# Altium PCB Iris.PcbDoc (part 8 of 13) (continued)
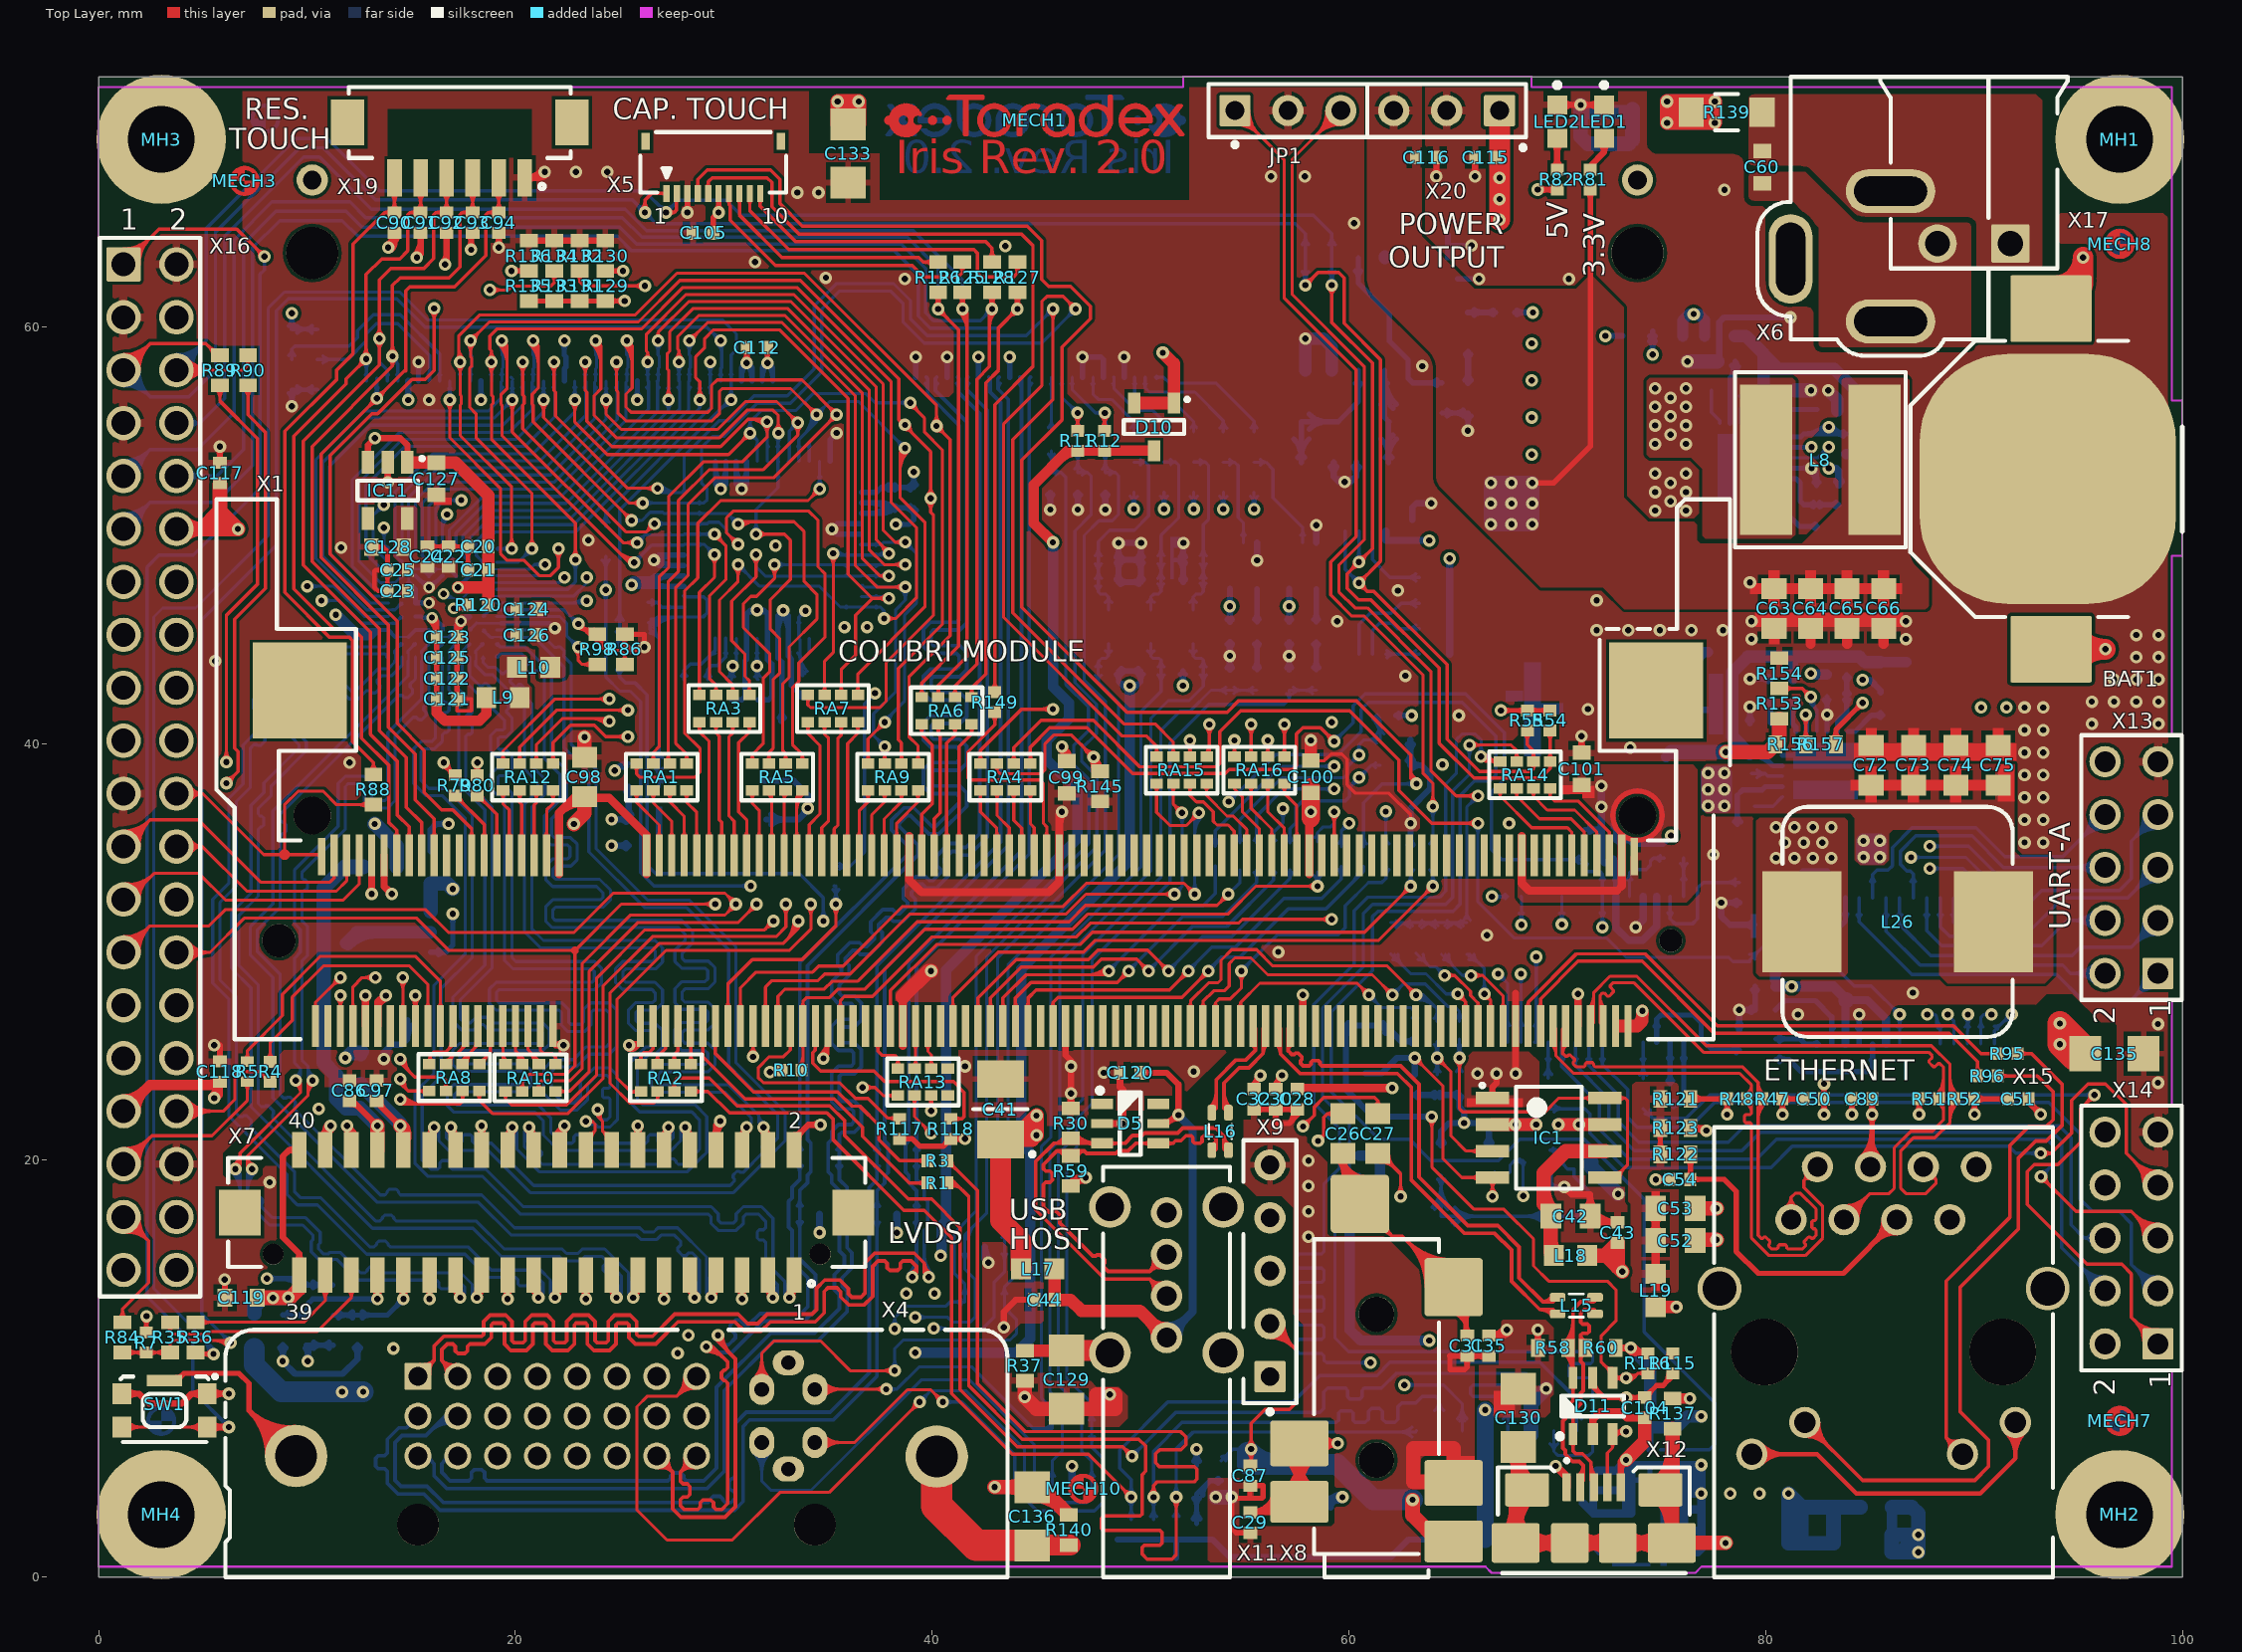
[diagram p0: Top Layer view]
## Nets (pads, with @x,y where several pads share a name; then routed paths per layer and width w, separated by ;. In a path a pad name is that pad's centre, name@x,y a point inside that pad or via, vN(x,y) a via of type N, cw(c..) or ccw(c..) an arc to the next point about the centre after c; other vN are vias at no path point) (continued)
  Bottom Layer w0.152: v1@62.808,33.314 ccw(c62.426,33.696) 62.967,33.696 ccw(c63.507,33.696) v1@63.125,33.314 ; R100.2@62.819,33.942 cw(c62.463,33.585) 62.967,33.585 cw(c63.471,33.585) R100.2@63.114,33.942 ; v1(62.967,33.156) R100.2@62.967,34.089
NetR109_2: R109.2 X1.173 | length 8.9
  Top Layer w0.15: v1(65.227,27.987) 65.6,27.614 ; v1@65.232,27.762 cw(c65.243,27.257) 65.6,27.614 ; v1@65.452,27.982 ccw(c65.957,27.971) 65.6,27.614 ; X1.173@65.529,27.393 ccw(c65.359,27.563) 65.6,27.563 ccw(c65.841,27.563) X1.173@65.671,27.393 ; X1.173@65.6,26.446 65.6,27.614
  Bottom Layer w0.15: R109.2@62.021,29.902 62.967,28.956 63.703,28.956 64.672,27.987 v1(65.227,27.987) ; R109.2@62.101,29.632 cw(c62.101,29.175) 62.424,29.498 ; R109.2@62.201,29.882 ccw(c62.59,29.882) R109.2@62.315,29.607 ; R109.2@62.351,29.882 ccw(c63.102,29.882) 62.571,29.351 ; v1@65.058,27.839 ccw(c64.732,27.555) 64.732,27.987 ccw(c64.732,28.419) v1@65.058,28.135
NetR111_2: R111.2 X1.175 | length 8.1
  Top Layer w0.15: v1(64.595,28.876) 65.081,28.876 ; v1@64.767,28.73 cw(c65.081,28.464) 65.081,28.876 ; v1@64.767,29.021 ccw(c65.081,29.288) 65.081,28.876 ; X1.175@66.129,27.393 ccw(c65.959,27.563) 66.2,27.563 ccw(c66.441,27.563) X1.175@66.271,27.393 ; X1.175@66.2,26.446 66.2,27.548 65.837,27.911 65.837,28.12 65.081,28.876
  Bottom Layer w0.15: R111.2@63.221,29.958 63.893,29.286 64.184,29.286 v1(64.595,28.876) ; R111.2@63.321,29.632 cw(c63.321,29.086) 63.707,29.472 ; R111.2@63.571,29.882 ccw(c64.232,29.882) 63.764,29.415 ; v1@64.37,28.876 ccw(c63.827,28.876) 64.211,29.26 ccw(c64.595,29.644) v1@64.595,29.101
NetR112_2: R112.2 X1.177 | length 7.1
  Top Layer w0.15: v1(66.503,27.987) 66.8,27.69 ; v1@66.548,27.766 cw(c66.603,27.493) 66.8,27.69 ; v1@66.724,27.942 ccw(c66.997,27.887) 66.8,27.69 ; X1.177@66.729,27.393 ccw(c66.559,27.563) 66.8,27.563 ccw(c67.041,27.563) X1.177@66.871,27.393 ; X1.177@66.8,26.446 66.8,27.69
  Bottom Layer w0.15: R112.2@65.659,29.882 65.825,29.882 66.503,29.204 v1(66.503,27.987) ; R112.2@65.759,29.632 cw(c65.759,28.869) 66.299,29.408 ; R112.2@65.759,29.782 cw(c65.759,29.381) R112.2@66.043,29.664 ; R112.2@66.009,29.882 ccw(c66.453,29.882) 66.139,29.568 ; v1@66.344,28.146 ccw(c65.96,28.53) 66.503,28.53 ccw(c67.047,28.53) v1@66.662,28.146
NetR113_2: R113.2 X1.179 | length 8.3
  Top Layer w0.15: v1(65.865,28.876) 66.425,28.876 67.4,27.901 X1.179@67.4,26.446 ; v1@66.024,28.717 cw(c66.408,28.333) 66.408,28.876 cw(c66.408,29.419) v1@66.024,29.035 ; X1.179@67.329,27.393 ccw(c67.159,27.563) 67.4,27.563 ccw(c67.641,27.563) X1.179@67.471,27.393
  Bottom Layer w0.15: R113.2@64.44,29.882 65.446,28.876 ; R113.2@64.54,29.632 cw(c64.54,29.27) 64.796,29.526 ; R113.2@64.64,29.882 ccw(c65.123,29.882) 64.781,29.541 ; R113.2@64.79,29.882 ccw(c65.635,29.882) 65.037,29.285 ; v1@65.678,28.751 ccw(c65.446,28.598) 65.446,28.876 ; v1@65.678,29 cw(c65.446,29.154) 65.446,28.876 ; v1(65.865,28.876) 65.446,28.876
PWM_A: R7.2 R35.2 R84.1 X3.6 | length 89
  Top Layer w0.152: R35.2@3.429,10.781 3.429,11.161 3.621,11.354 6.223,11.354 v1(6.325,11.252) ; 5.539,11.354 cw(c5.539,10.467) v1@6.166,11.094 ; 5.907,11.354 cw(c5.907,10.835) v1@6.274,11.202 ; 6.03,11.354 ccw(c6.03,11.547) v1@6.166,11.41
  Top Layer w0.165: R84.1@1.143,10.781 R35.2@3.429,10.781 ; R84.1@1.414,10.61 cw(c1.828,10.196) 1.828,10.781 cw(c1.828,11.367) R84.1@1.414,10.953 ; 1.754,10.781 cw(c1.754,10.267) R7.2@2.118,10.631 ; 1.79,10.781 ccw(c1.79,11.245) R7.2@2.118,10.917 ; R7.2@2.454,10.631 cw(c2.818,10.267) 2.818,10.781 ; R7.2@2.454,10.917 ccw(c2.782,11.245) 2.782,10.781 ; R35.2@3.158,10.61 ccw(c2.744,10.196) 2.744,10.781 ccw(c2.744,11.367) R35.2@3.158,10.953
  Bottom Layer w0.165: v1@6.107,11.252 ccw(c5.582,11.252) 5.953,11.623 ccw(c6.325,11.995) v1@6.325,11.47 ; v1(6.325,11.252) 4.953,12.624 4.953,45.949 8.534,49.53 8.534,60.782 9.093,61.341 14.316,61.341 15.662,59.995 29.191,59.995 29.898,59.288 29.898,58.041 29.85,57.993 X3.6@29.85,57.4 ; v1@29.632,59.336 ccw(c29.107,59.336) 29.479,59.707 ccw(c29.85,60.078) v1@29.85,59.553 ; v1@29.696,59.182 cw(c29.209,58.695) 29.898,58.695 ; X3.6@29.802,57.698 ccw(c29.687,57.813) 29.85,57.813 ccw(c30.013,57.813) X3.6@29.898,57.698 ; 29.898,58.927 cw(c30.259,58.927) v1@30.004,59.182
  other v1: 29.85,59.336
PWM_A_S: R7.1 X1.59 | length 54.2
  Top Layer w0.15: v1@2.13,12.362 cw(c1.752,11.984) R7.1@2.286,11.984 ; R7.1@2.138,11.882 ccw(c1.779,12.241) 2.286,12.241 ccw(c2.793,12.241) R7.1@2.434,11.882 ; v1@2.163,12.334 cw(c2.046,12.159) 2.249,12.104 ; v1@2.176,12.326 cw(c2.033,12.078) 2.31,12.152 ; 2.259,12.142 cw(c2.553,12.063) v1@2.401,12.326 ; R7.1@2.286,11.734 2.286,12.519 v1(2.289,12.521) ; R7.1@2.286,11.972 cw(c2.838,11.972) v1@2.448,12.362 ; 2.32,12.113 cw(c2.509,12.163) v1@2.406,12.329
  Top Layer w0.165: v1@31.246,25.122 ccw(c30.875,25.493) 31.4,25.493 ccw(c31.925,25.493) v1@31.554,25.122 ; X1.59@31.335,25.556 cw(c31.177,25.398) 31.4,25.398 cw(c31.623,25.398) X1.59@31.465,25.556 ; v1(31.4,24.968) X1.59@31.4,26.446
  MidLayer2 w0.165: v1@2.135,12.367 cw(c1.764,11.996) 2.289,11.996 cw(c2.814,11.996) v1@2.442,12.367 ; v1(2.289,12.521) 2.289,11.25 4.013,9.525 7.747,9.525 8.382,8.89 10.909,8.89 11.862,9.843 11.862,13.995 17.653,19.787 32.461,19.787 33.452,20.777 33.452,24.003 32.487,24.968 v1(31.4,24.968) ; v1@31.554,24.814 cw(c31.925,24.443) 31.925,24.968 cw(c31.925,25.493) v1@31.554,25.122
PWM_B: R79.2 X16.38 | length 39.5
  Top Layer w0.15: v1@16.507,38.872 cw(c16.375,38.335) R79.2@16.854,38.612 ; v1@16.561,38.866 cw(c16.561,38.505) 16.816,38.76 ; v1(16.561,39.091) 16.561,39.015 R79.2@17.104,38.472 ; v1@16.703,38.873 cw(c16.301,38.472) R79.2@16.869,38.472 ; 16.742,38.834 cw(c16.999,39.091) 16.636,39.091 ccw(c16.984,39.087) 16.81,38.786 ; 16.763,38.813 ccw(c17.079,39.129) R79.2@17.079,38.682 ; v1@16.764,38.994 ccw(c16.918,38.92) 16.833,38.773 ; v1@16.778,39.032 ccw(c17.256,38.904) R79.2@16.828,38.657 ; v1@16.786,39.091 ccw(c17.511,39.091) R79.2@16.998,38.577
  MidLayer2 w0.165: X16.38@3.731,17.28 5.283,18.832 5.283,20.142 7.595,22.454 7.595,31.42 15.265,39.091 v1(16.561,39.091) ; X16.38@3.731,17.692 ccw(c3.731,18.688) 4.435,17.984 ccw(c5.139,17.28) X16.38@4.143,17.28 ; X16.38@3.731,17.858 ccw(c3.731,19.252) 4.717,18.266 ccw(c5.703,17.28) X16.38@4.308,17.28 ; X16.38@3.731,18.023 ccw(c3.731,19.815) 4.998,18.548 ccw(c6.266,17.28) X16.38@4.473,17.28 ; v1@16.407,38.937 ccw(c16.036,38.566) 16.036,39.091 ccw(c16.036,39.616) v1@16.407,39.244
PWM_B_S: R79.1 X1.28 | length 4.6
  Top Layer w0.165: R79.1@17.104,37.512 18.5,36.116 X1.28@18.5,34.646 ; R79.1@17.129,37.31 cw(c17.129,36.881) 17.432,37.184 ; R79.1@17.331,37.512 ccw(c17.881,37.512) 17.492,37.124 ; X1.28@18.435,35.587 ccw(c18.277,35.745) 18.5,35.745 ccw(c18.723,35.745) X1.28@18.565,35.587
PWM_C: R80.2 X16.39 | length 44.4
  Top Layer w0.15: v1@18.012,38.932 cw(c17.627,38.547) 18.171,38.547 cw(c18.714,38.547) v1@18.33,38.932 ; R80.2@18.022,38.62 ccw(c17.664,38.979) 18.171,38.979 ccw(c18.678,38.979) R80.2@18.319,38.62 ; v1@18.064,38.892 cw(c18.015,38.801) 18.116,38.774 cw(c18.246,38.739) v1@18.217,38.871 ; v1@18.124,38.871 cw(c18.096,38.739) 18.226,38.774 cw(c18.326,38.801) v1@18.277,38.892 ; R80.2@18.171,38.472 v1(18.171,39.091)
  MidLayer2 w0.165: X16.39@1.191,14.74 2.461,16.01 4.936,16.01 5.766,16.84 5.766,19.863 8.001,22.098 8.001,27.864 9.728,29.591 9.728,32.842 12.37,35.484 14.564,35.484 v1(18.171,39.091) ; X16.39@1.191,15.152 ccw(c1.191,16.148) 1.895,15.444 ccw(c2.599,14.74) X16.39@1.603,14.74 ; X16.39@1.191,15.318 ccw(c1.191,16.712) 2.177,15.726 ccw(c3.163,14.74) X16.39@1.768,14.74 ; X16.39@1.191,15.483 ccw(c1.191,17.275) 2.458,16.008 ccw(c3.726,14.74) X16.39@1.933,14.74 ; v1@17.953,39.091 cw(c17.428,39.091) 17.799,38.719 cw(c18.171,38.348) v1@18.171,38.873
PWM_C_S: R80.1 X1.30 | length 4.4
  Top Layer w0.165: R80.1@18.171,37.532 19.1,36.602 X1.30@19.1,34.646 ; R80.1@18.196,37.31 cw(c18.196,36.834) 18.532,37.17 ; R80.1@18.398,37.512 ccw(c18.9,37.512) 18.545,37.157 ; X1.30@19.035,35.587 ccw(c18.877,35.745) 19.1,35.745 ccw(c19.323,35.745) X1.30@19.165,35.587
PWM_D: R10.2 X16.40 | length 52.2
  Top Layer w0.152: v1(32.216,24.232) 32.317,24.333 R10.2@32.769,24.333
  MidLayer2 w0.152: X16.40@3.201,14.211 cw(c1.923,12.932) 3.731,12.932 cw(c5.539,12.932) X16.40@4.26,14.211 ; X16.40@3.309,14.318 cw(c2.291,13.3) 3.731,13.3 cw(c5.171,13.3) X16.40@4.153,14.318 ; X16.40@3.417,14.426 cw(c2.659,13.668) 3.731,13.668 cw(c4.803,13.668) X16.40@4.045,14.426 ; X16.40@3.731,14.74 3.731,11.23 4.902,10.058 8.128,10.058 8.661,9.525 10.592,9.525 11.201,10.135 11.201,14.376 17.332,20.507 32.216,20.507 32.868,21.158 32.868,23.58 v1(32.216,24.232) ; v1@32.216,24.008 cw(c32.216,23.468) 32.598,23.85 cw(c32.98,24.232) v1@32.44,24.232
PWM_D_S: R10.1 R110.1 X1.67 | length 35.9
  Top Layer w0.152: R10.1@33.606,24.531 ccw(c33.139,24.999) 33.8,24.999 ; X1.67@33.73,25.551 cw(c33.561,25.382) 33.8,25.382 cw(c34.039,25.382) X1.67@33.87,25.551 ; X1.67@33.73,27.392 ccw(c33.561,27.56) 33.8,27.56 ccw(c34.039,27.56) X1.67@33.87,27.392 ; R10.1@33.8,24.359 X1.67@33.8,26.446 33.8,27.628 33.985,27.813 35.077,27.813 35.484,28.219 36.779,28.219 39.648,31.088 46.732,31.088 47.459,31.816 54.193,31.816 55.533,33.156 v1(58.496,33.156) ; R10.1@33.8,24.573 ccw(c34.147,24.573) R10.1@33.902,24.328 ; v1@58.338,32.998 ccw(c57.956,32.616) 57.956,33.156 ccw(c57.956,33.696) v1@58.338,33.314
  Bottom Layer w0.152: R110.1@58.32,33.668 cw(c57.896,33.244) 58.496,33.244 cw(c59.097,33.244) R110.1@58.672,33.668 ; v1@58.338,33.314 ccw(c57.956,33.696) 58.496,33.696 ccw(c59.036,33.696) v1@58.654,33.314 ; v1@58.366,33.338 ccw(c58.274,33.465) 58.426,33.506 ccw(c58.612,33.556) v1@58.558,33.371 ; v1@58.434,33.371 ccw(c58.381,33.556) 58.566,33.506 ccw(c58.718,33.465) v1@58.627,33.338 ; v1(58.496,33.156) R110.1@58.496,33.844
PWR_IN: C60.2 F1.1 X6.1 X17.2
RECOVERY: JP1.1 R108.2 | length 49.1
  Top Layer w0.15: JP1.1@54.534,69.705 cw(c54.534,68.075) 55.687,69.228 cw(c56.839,70.38) JP1.1@55.209,70.38 ; JP1.1@54.534,69.855 cw(c54.534,68.588) 55.431,69.484 cw(c56.327,70.38) JP1.1@55.059,70.38 ; JP1.1@54.534,70.005 cw(c54.534,69.1) 55.175,69.74 cw(c55.815,70.38) JP1.1@54.909,70.38 ; JP1.1@54.534,70.38 56.89,68.024 56.89,61.398 60.35,57.937 60.35,49.936 59.131,48.717 59.131,47.129 60.134,46.126 60.73,46.126 63.551,43.306 63.551,38.583 64.033,38.1 v1(64.033,36.982) ; v1@63.874,37.141 ccw(c63.49,37.526) 64.033,37.526 ccw(c64.577,37.526) v1@64.192,37.141
  Bottom Layer w0.15: v1@63.874,36.823 cw(c63.49,36.439) 64.033,36.439 cw(c64.577,36.439) v1@64.192,36.823 ; R108.2@63.885,35.198 ccw(c63.526,35.556) 64.033,35.556 ccw(c64.54,35.556) R108.2@64.182,35.198 ; R108.2@64.033,35.049 v1(64.033,36.982)
RED: C2.1 L5.1 R16.1 R23.1 R25.1 | length 14.6
  Bottom Layer w0.152: C2.1@47.822,48.628 cw(c47.457,48.263) 47.973,48.263 cw(c48.489,48.263) C2.1@48.124,48.628 ; C2.1@47.822,49.01 ccw(c47.457,49.375) 47.973,49.375 ccw(c48.489,49.375) C2.1@48.124,49.01 ; R25.1@47.836,47.925 ccw(c47.503,48.257) 47.973,48.257 ; R25.1@47.843,47.573 cw(c47.574,47.277) 47.973,47.277 ; 47.973,48.305 ccw(c48.511,48.305) R25.1@48.131,47.925 ; R25.1@48.112,47.563 ccw(c48.336,47.277) 47.973,47.277 ; L5.1@48.297,46.781 ccw(c48.177,47.041) 48.463,47.041 ; L5.1@48.463,46.418 48.463,47.041 ; L5.1@48.63,46.781 cw(c48.749,47.041) 48.463,47.041 ; R23.1@49.682,53.504 50.234,53.504 ; R23.1@49.991,53.372 cw(c50.234,53.215) 50.234,53.504 ; R23.1@49.993,53.371 cw(c50.234,53.219) 50.234,53.504 ; R23.1@49.993,53.637 ccw(c50.234,53.789) 50.234,53.504 ; R23.1@49.994,53.638 ccw(c50.234,53.785) 50.234,53.504 ; 47.973,47.277 48.083,47.168 48.336,47.168 48.463,47.041 ; 47.973,47.277 C2.1@47.973,48.819 47.973,49.7 48.514,50.241 49.708,50.241 50.394,50.927 50.394,53.344 50.234,53.504
RESET_EXT#: SW1.2 SW1.4 X1.26 X16.1 | length 136.6
  Top Layer w0.165: SW1.4@1.11,7.2 SW1.2@5.21,7.2 v1(6.248,7.2) ; X16.1@1.191,63 2.885,64.694 6.629,64.694 v1(7.95,63.373) ; X16.1@1.191,63.412 ccw(c1.191,64.408) 1.895,63.704 ccw(c2.599,63) X16.1@1.603,63 ; X16.1@1.191,63.578 ccw(c1.191,64.972) 2.177,63.986 ccw(c3.163,63) X16.1@1.768,63 ; X16.1@1.191,63.743 ccw(c1.191,65.535) 2.458,64.268 ccw(c3.726,63) X16.1@1.933,63 ; SW1.4@1.253,7.057 cw(c1.599,6.711) 1.599,7.2 cw(c1.599,7.689) SW1.4@1.253,7.343 ; SW1.4@1.37,6.94 cw(c1.997,6.313) 1.997,7.2 cw(c1.997,8.087) SW1.4@1.37,7.46 ; SW1.2@4.95,6.94 ccw(c4.323,6.313) 4.323,7.2 ccw(c4.323,8.087) SW1.2@4.95,7.46 ; SW1.2@5.067,7.057 ccw(c4.721,6.711) 4.721,7.2 ccw(c4.721,7.689) SW1.2@5.067,7.343 ; SW1.2@5.353,7.057 cw(c5.699,6.711) 5.699,7.2 cw(c5.699,7.689) SW1.2@5.353,7.343 ; SW1.2@5.47,6.94 cw(c6.097,6.313) 6.097,7.2 cw(c6.097,8.087) SW1.2@5.47,7.46 ; 5.719,7.099 cw(c5.842,6.641) v1@6.12,7.024 ; 5.719,7.301 ccw(c5.842,7.759) v1@6.12,7.376 ; 5.822,7.126 ccw(c5.721,7.505) v1@6.06,7.309 ; 5.822,7.274 cw(c5.721,6.895) v1@6.06,7.091 ; v1@6.095,7.046 ccw(c5.723,6.675) 5.723,7.2 ccw(c5.723,7.725) v1@6.095,7.354 ; v1@7.733,63.373 ccw(c7.208,63.373) 7.579,63.744 ccw(c7.95,64.116) v1@7.95,63.591 ; v1(16.104,60.884) 16.104,57.912 15.672,57.48 15.037,57.48 13.386,55.829 13.106,55.829 11.1,53.823 11.1,49.098 14.326,45.872 14.326,40.97 15.622,39.673 15.622,37.667 16.459,36.83 16.993,36.83 17.9,35.923 X1.26@17.9,34.646 ; X1.26@17.835,35.587 ccw(c17.677,35.745) 17.9,35.745 ccw(c18.123,35.745) X1.26@17.965,35.587 ; 16.104,60.359 ccw(c15.579,60.359) 15.95,60.73 cw(c15.579,60.359) 16.104,60.359 ; 16.104,60.359 cw(c16.629,60.359) 16.257,60.73 ccw(c16.629,60.359) 16.104,60.359
  MidLayer2 w0.165: v1@7.796,63.219 cw(c7.425,62.848) 7.95,62.848 cw(c8.475,62.848) v1@8.104,63.219 ; v1(7.95,63.373) 7.95,62.459 8.814,61.595 15.392,61.595 v1(16.104,60.884) ; v1@15.886,60.884 ccw(c15.361,60.884) 15.732,61.255 ccw(c16.104,61.626) v1@16.104,61.101
  Bottom Layer w0.165: v1@6.031,7.2 ccw(c5.506,7.2) 5.877,7.571 ccw(c6.248,7.943) v1@6.248,7.417 ; v1(6.248,7.2) 4.521,8.927 4.521,11.252 2.311,13.462 2.311,48.463 2.896,49.047 4.547,49.047 7.747,52.248 7.747,62.53 7.95,62.733 v1(7.95,63.373)
RESET_OUT#: R39.1 RA13.6 X16.4 | length 105
  Top Layer w0.152: v1@39.796,22.536 ccw(c39.414,22.918) 39.955,22.918 ccw(c40.495,22.918) v1@40.113,22.536 ; RA13.6@39.832,22.987 cw(c39.535,22.69) 39.955,22.69 cw(c40.374,22.69) RA13.6@40.077,22.987 ; v1(39.955,22.377) RA13.6@39.955,23.11
  MidLayer1 w0.152: 6.096,42.367 11.376,37.087 11.376,36.325 16.586,31.115 27.407,31.115 29.464,33.172 v1(31.293,33.172) 32.029,33.172 32.283,33.426 35.941,33.426 36.551,32.817 36.551,25.298 37.973,23.876 37.973,23.114 38.71,22.377 v1(39.955,22.377) ; v1@31.135,33.014 ccw(c30.753,32.632) 30.753,33.172 ccw(c30.753,33.713) v1@31.135,33.331 ; v1@31.451,33.014 cw(c31.833,32.632) 31.833,33.172 cw(c31.833,33.713) v1@31.451,33.331 ; v1@39.796,22.219 ccw(c39.414,21.837) 39.414,22.377 ccw(c39.414,22.918) v1@39.796,22.536
  MidLayer1 w0.165: X16.4@3.731,59.718 cw(c3.731,57.925) 4.998,59.192 cw(c6.266,60.46) X16.4@4.473,60.46 ; X16.4@3.731,59.883 cw(c3.731,58.488) 4.717,59.474 cw(c5.703,60.46) X16.4@4.308,60.46 ; X16.4@3.731,60.048 cw(c3.731,59.052) 4.435,59.756 cw(c5.139,60.46) X16.4@4.143,60.46 ; X16.4@3.731,60.46 5.055,59.136 5.055,43.409 6.096,42.367
  Bottom Layer w0.152: R39.1@24.157,48.807 cw(c23.733,48.382) 24.333,48.382 cw(c24.934,48.382) R39.1@24.509,48.807 ; v1@24.175,47.213 cw(c23.793,46.831) 24.333,46.831 cw(c24.873,46.831) v1@24.491,47.213 ; v1@24.175,47.529 ccw(c23.793,47.911) 24.333,47.911 ccw(c24.873,47.911) v1@24.491,47.529 ; R39.1@24.333,48.983 v1(24.333,47.371) 24.333,43.205 25.019,42.52 25.502,42.52 26.006,42.015 26.006,33.811 26.645,33.172 v1(31.293,33.172) ; v1@31.135,33.014 ccw(c30.753,32.632) 30.753,33.172 ccw(c30.753,33.713) v1@31.135,33.331
RESET_OUT_S#: RA13.2 X1.87 | length 3.1
  Top Layer w0.15: X1.87@39.729,25.499 cw(c39.559,25.329) 39.8,25.329 cw(c40.041,25.329) X1.87@39.871,25.499 ; X1.87@39.8,26.446 39.8,25.226 39.969,25.057 39.969,24.411 RA13.2@39.97,24.41 ; RA13.2@39.831,24.534 ccw(c39.498,24.867) 39.969,24.867 ; 39.969,24.798 ccw(c40.343,24.798) RA13.2@40.078,24.534
RS232_A_CTS: IC4.8 X13.6 | length 17.7
  Bottom Layer w0.165: IC4.8@86.984,33.391 ccw(c86.741,33.634) 87.085,33.634 ccw(c87.429,33.634) IC4.8@87.186,33.391 ; IC4.8@87.085,32.59 87.085,33.743 86.942,33.886 86.789,33.886 86.462,34.214 86.462,34.823 87.212,35.574 89.902,35.574 91.422,34.054 X13.6@96.292,34.054 ; X13.6@95.789,33.616 ccw(c94.826,32.777) 94.826,34.054 ccw(c94.826,35.331) X13.6@95.789,34.492 ; X13.6@95.913,33.724 ccw(c95.188,33.093) 95.188,34.054 ccw(c95.188,35.015) X13.6@95.913,34.384
RS232_A_DCD: IC4.4 X13.1 | length 23.8
  Bottom Layer w0.165: IC4.4@84.384,31.789 cw(c84.141,31.546) 84.485,31.546 cw(c84.829,31.546) IC4.4@84.586,31.789 ; IC4.4@84.485,32.59 84.485,31.442 87.012,28.914 93.971,28.914 95.199,27.686 97.544,27.686 X13.1@98.832,28.974 ; X13.1@98.164,28.974 cw(c96.553,28.974) 97.692,27.835 cw(c98.832,26.695) X13.1@98.832,28.307 ; X13.1@98.329,28.974 cw(c97.116,28.974) 97.974,28.116 cw(c98.832,27.258) X13.1@98.832,28.472 ; X13.1@98.494,28.974 cw(c97.68,28.974) 98.256,28.398 cw(c98.832,27.822) X13.1@98.832,28.637
RS232_A_DSR: IC4.6 X13.2 | length 19.2
  Bottom Layer w0.165: IC4.6@85.684,31.789 cw(c85.441,31.546) 85.785,31.546 cw(c86.129,31.546) IC4.6@85.886,31.789 ; IC4.6@85.785,32.59 85.785,31.004 87.415,29.374 94.248,29.374 94.648,28.974 X13.2@96.292,28.974 ; X13.2@95.82,28.502 ccw(c94.68,27.363) 94.68,28.974 ccw(c94.68,30.585) X13.2@95.82,29.446 ; X13.2@95.937,28.619 ccw(c95.079,27.761) 95.079,28.974 ccw(c95.079,30.187) X13.2@95.937,29.329 ; X13.2@96.053,28.735 ccw(c95.477,28.159) 95.477,28.974 ccw(c95.477,29.789) X13.2@96.053,29.213
RS232_A_DTR: IC4.11 X13.7 | length 20.6
  Bottom Layer w0.152: IC4.11@89.02,32.575 IC4.11@89.035,32.59
  Bottom Layer w0.165: IC4.11@88.934,31.789 cw(c88.727,31.582) 89.02,31.582 ; 89.02,31.51 cw(c89.415,31.51) IC4.11@89.136,31.789 ; IC4.11@89.02,32.575 89.02,31.427 89.256,31.191 91.491,31.191 93.257,32.957 96.99,32.957 97.562,33.529 97.562,35.324 X13.7@98.832,36.594 ; X13.7@98.164,36.594 cw(c96.553,36.594) 97.692,35.455 cw(c98.832,34.315) X13.7@98.832,35.927 ; X13.7@98.329,36.594 cw(c97.116,36.594) 97.974,35.736 cw(c98.832,34.878) X13.7@98.832,36.092 ; X13.7@98.494,36.594 cw(c97.68,36.594) 98.256,36.018 cw(c98.832,35.442) X13.7@98.832,36.257
RS232_A_RI: IC4.5 X13.8 | length 21.4
  Bottom Layer w0.165: IC4.5@85.034,33.391 ccw(c84.791,33.634) 85.135,33.634 ccw(c85.479,33.634) IC4.5@85.236,33.391 ; IC4.5@85.135,32.59 85.135,33.725 85.344,33.934 85.877,33.934 86.081,34.138 86.081,35.001 87.034,35.955 90.106,35.955 91.491,34.569 94.267,34.569 X13.8@96.292,36.594 ; X13.8@95.624,36.594 cw(c94.013,36.594) 95.152,35.455 cw(c96.292,34.315) X13.8@96.292,35.927 ; X13.8@95.789,36.594 cw(c94.576,36.594) 95.434,35.736 cw(c96.292,34.878) X13.8@96.292,36.092 ; X13.8@95.954,36.594 cw(c95.14,36.594) 95.716,36.018 cw(c96.292,35.442) X13.8@96.292,36.257
RS232_A_RTS: IC4.9 X13.4 | length 17.2
  Bottom Layer w0.165: IC4.9@87.634,31.789 cw(c87.391,31.546) 87.735,31.546 cw(c88.079,31.546) IC4.9@87.836,31.789 ; IC4.9@87.735,32.59 87.735,31.01 88.452,30.293 93.26,30.293 94.481,31.514 X13.4@96.292,31.514 ; X13.4@95.82,31.042 ccw(c94.68,29.903) 94.68,31.514 ccw(c94.68,33.125) X13.4@95.82,31.986 ; X13.4@95.937,31.159 ccw(c95.079,30.301) 95.079,31.514 ccw(c95.079,32.727) X13.4@95.937,31.869 ; X13.4@96.053,31.275 ccw(c95.477,30.699) 95.477,31.514 ccw(c95.477,32.329) X13.4@96.053,31.753
RS232_A_RXD: IC4.7 X13.3 | length 21.2
  Bottom Layer w0.165: IC4.7@86.334,31.789 cw(c86.091,31.546) 86.435,31.546 cw(c86.779,31.546) IC4.7@86.536,31.789 ; IC4.7@86.435,32.59 86.435,31.319 87.921,29.834 94.705,29.834 95.107,30.235 97.553,30.235 X13.3@98.832,31.514 ; X13.3@98.164,31.514 cw(c96.553,31.514) 97.692,30.375 cw(c98.832,29.235) X13.3@98.832,30.847 ; X13.3@98.329,31.514 cw(c97.116,31.514) 97.974,30.656 cw(c98.832,29.798) X13.3@98.832,31.012 ; X13.3@98.494,31.514 cw(c97.68,31.514) 98.256,30.938 cw(c98.832,30.362) X13.3@98.832,31.177
RS232_A_TXD: IC4.10 X13.5 | length 19.6
  Bottom Layer w0.165: IC4.10@88.284,31.789 cw(c88.041,31.546) 88.385,31.546 cw(c88.729,31.546) IC4.10@88.486,31.789 ; IC4.10@88.385,32.59 88.385,31.198 88.83,30.753 92.424,30.753 94.268,32.597 97.375,32.597 X13.5@98.832,34.054 ; X13.5@98.164,34.054 cw(c96.553,34.054) 97.692,32.915 cw(c98.832,31.775) X13.5@98.832,33.387 ; X13.5@98.329,34.054 cw(c97.116,34.054) 97.974,33.196 cw(c98.832,32.338) X13.5@98.832,33.552 ; X13.5@98.494,34.054 cw(c97.68,34.054) 98.256,33.478 cw(c98.832,32.902) X13.5@98.832,33.717
RS232_B_CTS: IC6.8 X14.6 | length 35.5
  Bottom Layer w0.165: IC6.8@71.419,24.869 cw(c71.176,24.626) 71.52,24.626 cw(c71.864,24.626) IC6.8@71.621,24.869 ; IC6.8@71.52,25.67 71.52,24.543 72.93,23.132 72.93,21.867 73.919,20.879 78.207,20.879 78.996,21.668 94.081,21.668 94.657,21.091 94.657,16.899 95.283,16.274 ; X14.6@95.678,16.013 ccw(c95.283,15.845) 95.283,16.274 ; X14.6@95.678,16.535 cw(c95.283,16.703) 95.283,16.274 ; X14.6@95.83,16.077 ccw(c95.532,15.951) 95.532,16.274 ccw(c95.532,16.597) X14.6@95.83,16.471 ; X14.6@96.292,16.274 95.283,16.274
RS232_B_RTS: IC6.9 X14.4 | length 41.7
  Bottom Layer w0.165: IC6.9@70.769,24.869 cw(c70.526,24.626) 70.87,24.626 cw(c71.214,24.626) IC6.9@70.971,24.869 ; IC6.9@70.87,25.67 70.87,24.558 72.48,22.948 72.48,21.681 73.689,20.472 78.867,20.472 79.732,21.337 93.789,21.337 94.217,20.909 94.217,15.809 X14.4@96.292,13.734 ; X14.4@95.624,13.734 ccw(c94.013,13.734) 95.152,14.873 ccw(c96.292,16.013) X14.4@96.292,14.402 ; X14.4@95.789,13.734 ccw(c94.576,13.734) 95.434,14.592 ccw(c96.292,15.45) X14.4@96.292,14.237 ; X14.4@95.954,13.734 ccw(c95.14,13.734) 95.716,14.31 ccw(c96.292,14.886) X14.4@96.292,14.072
RS232_B_RXD: IC6.7 X14.3 | length 43.2
  Bottom Layer w0.165: IC6.7@72.069,24.869 cw(c71.826,24.626) 72.17,24.626 cw(c72.514,24.626) IC6.7@72.271,24.869 ; IC6.7@72.17,25.67 72.17,24.604 73.381,23.393 73.381,22.054 73.844,21.59 76.361,21.59 77.555,22.784 93.587,22.784 95.098,21.273 95.098,18.136 95.682,17.551 96.977,17.551 97.561,16.967 97.561,15.005 X14.3@98.832,13.734 ; X14.3@98.164,13.734 ccw(c96.553,13.734) 97.692,14.873 ccw(c98.832,16.013) X14.3@98.832,14.402 ; X14.3@98.329,13.734 ccw(c97.116,13.734) 97.974,14.592 ccw(c98.832,15.45) X14.3@98.832,14.237 ; X14.3@98.494,13.734 ccw(c97.68,13.734) 98.256,14.31 ccw(c98.832,14.886) X14.3@98.832,14.072
RS232_B_TXD: IC6.10 X14.5 | length 44.2
  Top Layer w0.165: v1@93.218,19.01 cw(c93.218,18.485) 93.589,18.857 cw(c93.961,19.228) v1@93.436,19.228 ; v1(93.218,19.228) 94.894,17.551 97.555,17.551 X14.5@98.832,16.274 ; X14.5@98.164,16.274 ccw(c96.553,16.274) 97.692,17.413 ccw(c98.832,18.553) X14.5@98.832,16.942 ; X14.5@98.329,16.274 ccw(c97.116,16.274) 97.974,17.132 ccw(c98.832,17.99) X14.5@98.832,16.777 ; X14.5@98.494,16.274 ccw(c97.68,16.274) 98.256,16.85 ccw(c98.832,17.426) X14.5@98.832,16.612
  Bottom Layer w0.165: IC6.10@70.119,24.869 cw(c69.876,24.626) 70.22,24.626 cw(c70.564,24.626) IC6.10@70.321,24.869 ; IC6.10@70.22,25.67 70.22,24.497 72.03,22.686 72.03,21.494 73.458,20.066 79.578,20.066 80.519,21.006 93.497,21.006 93.777,20.726 93.777,19.787 v1(93.218,19.228) ; v1@93.218,19.445 ccw(c93.218,19.97) 93.589,19.599 ccw(c93.961,19.228) v1@93.436,19.228
RS232_C_RX: R94.2 X14.1 | length 47.9
  Top Layer w0.165: v1@95.566,23.139 cw(c95.041,23.139) 95.412,22.768 cw(c95.783,22.397) v1@95.783,22.922 ; v1(95.783,23.139) 95.123,22.479 95.123,20.879 94.031,19.787 92.888,19.787 92.558,19.456 92.558,17.882 95.428,15.011 97.104,15.011 97.562,14.554 97.562,12.464 X14.1@98.832,11.194 ; X14.1@98.164,11.194 ccw(c96.553,11.194) 97.692,12.333 ccw(c98.832,13.473) X14.1@98.832,11.862 ; X14.1@98.329,11.194 ccw(c97.116,11.194) 97.974,12.052 ccw(c98.832,12.91) X14.1@98.832,11.697 ; X14.1@98.494,11.194 ccw(c97.68,11.194) 98.256,11.77 ccw(c98.832,12.346) X14.1@98.832,11.532
  Bottom Layer w0.165: R94.2@74.12,22.475 74.586,22.009 ; R94.2@74.22,22.232 cw(c74.22,21.888) 74.463,22.132 ; R94.2@74.458,22.428 ccw(c74.916,22.339) 74.586,22.009 ; v1@95.63,22.986 ccw(c95.258,22.614) 95.258,23.139 ccw(c95.258,23.664) v1@95.63,23.293 ; v1(95.783,23.139) 77.318,23.139 76.187,22.009 74.586,22.009
RS232_C_RXD: IC6.4 R94.1 | length 3.2
  Bottom Layer w0.165: R94.1@73.949,24.096 ccw(c73.535,24.51) 74.12,24.51 ccw(c74.705,24.51) R94.1@74.291,24.096 ; IC6.4@74.019,24.869 cw(c73.776,24.626) 74.12,24.626 cw(c74.464,24.626) IC6.4@74.221,24.869 ; R94.1@74.12,23.925 IC6.4@74.12,25.67
RS232_C_TX: R93.2 X14.7 | length 45.7
  Top Layer w0.152: X14.7@98.832,18.814 X14.7@98.832,19.239
  Top Layer w0.165: v1@93.167,20.336 93.716,20.336 ; v1@93.364,20.185 cw(c93.716,19.848) 93.716,20.336 ; v1@93.364,20.486 ccw(c93.716,20.823) 93.716,20.336 ; X14.7@98.164,18.814 ccw(c96.553,18.814) 97.692,19.953 ccw(c98.832,21.093) X14.7@98.832,19.482 ; X14.7@98.329,18.814 ccw(c97.116,18.814) 97.974,19.672 ccw(c98.832,20.53) X14.7@98.832,19.317 ; X14.7@98.494,18.814 ccw(c97.68,18.814) 98.256,19.39 ccw(c98.832,19.966) X14.7@98.832,19.152 ; X14.7@98.832,18.814 97.307,20.339 97.307,22.682 96.317,23.673 95.479,23.673 94.691,22.885 94.691,21.311 93.716,20.336
  Bottom Layer w0.165: R93.2@69.57,22.475 71.327,22.475 71.58,22.222 71.58,21.308 73.228,19.66 80.264,19.66 81.28,20.676 91.669,20.676 92.009,20.336 v1@93.004,20.336 ; R93.2@69.841,22.329 cw(c70.194,21.976) 70.194,22.475 ; R93.2@69.841,22.672 ccw(c70.317,23.147) 70.317,22.475 ; v1@93.053,20.182 ccw(c92.682,19.811) 92.682,20.336 ccw(c92.682,20.861) v1@93.053,20.489
  other v1: 93.207,20.336
RS232_C_TXD: IC6.11 R93.1 | length 3.2
  Bottom Layer w0.165: R93.1@69.399,24.122 ccw(c68.985,24.536) 69.57,24.536 ccw(c70.155,24.536) R93.1@69.741,24.122 ; IC6.11@69.469,24.869 cw(c69.226,24.626) 69.57,24.626 cw(c69.914,24.626) IC6.11@69.671,24.869 ; R93.1@69.57,23.95 IC6.11@69.57,25.67
SODIMM_45: RA2.7 X16.20 | length 65.1
  Top Layer w0.15: RA2.7@26.71,23.179 cw(c26.506,22.936) 26.823,22.936 ; RA2.7@26.823,23.313 26.823,22.936 ; RA2.7@26.935,23.179 ccw(c27.139,22.936) 26.823,22.936 ; 32.955,30.516 ccw(c31.986,31.485) v1@33.356,31.485 ; 33.211,30.772 ccw(c32.498,31.485) v1@33.506,31.485 ; 33.467,31.028 ccw(c33.01,31.485) v1@33.656,31.485 ; v1@33.492,31.279 cw(c33.433,31.143) 33.581,31.143 ; v1(33.581,31.485) 33.581,31.143 ; v1@33.67,31.279 ccw(c33.729,31.143) 33.581,31.143 ; 26.823,22.936 26.645,22.758 25.476,22.758 24.536,23.698 24.536,28.042 26.9,30.405 32.843,30.405 33.581,31.143
  MidLayer1 w0.152: X16.20@3.731,40.14 6.698,40.14 8.245,38.592 8.245,36.083 12.559,31.77 14.458,31.77 16.098,30.13 32.225,30.13 32.576,30.48 v1(33.581,31.485) ; X16.20@4.045,39.826 cw(c4.803,39.068) 4.803,40.14 cw(c4.803,41.212) X16.20@4.045,40.454 ; X16.20@4.153,39.718 cw(c5.171,38.7) 5.171,40.14 cw(c5.171,41.58) X16.20@4.153,40.562 ; X16.20@4.26,39.611 cw(c5.539,38.332) 5.539,40.14 cw(c5.539,41.948) X16.20@4.26,40.669 ; v1@33.357,31.485 cw(c32.817,31.485) 33.199,31.103 cw(c33.581,30.721) v1@33.581,31.261
SODIMM_45_S: RA2.3 X1.45 | length 2.9
  Top Layer w0.165: RA2.3@26.713,24.74 ccw(c26.508,24.978) 26.823,24.978 ; RA2.3@26.823,24.613 26.823,24.978 ; RA2.3@26.932,24.74 cw(c27.137,24.978) 26.823,24.978 ; X1.45@27.135,25.556 cw(c26.977,25.398) 27.2,25.398 cw(c27.423,25.398) X1.45@27.265,25.556 ; X1.45@27.2,26.446 27.2,25.355 26.823,24.978